# Altium PCB ALCT_MEZ_LX150T.PcbDoc (part 1 of 8) (continued)
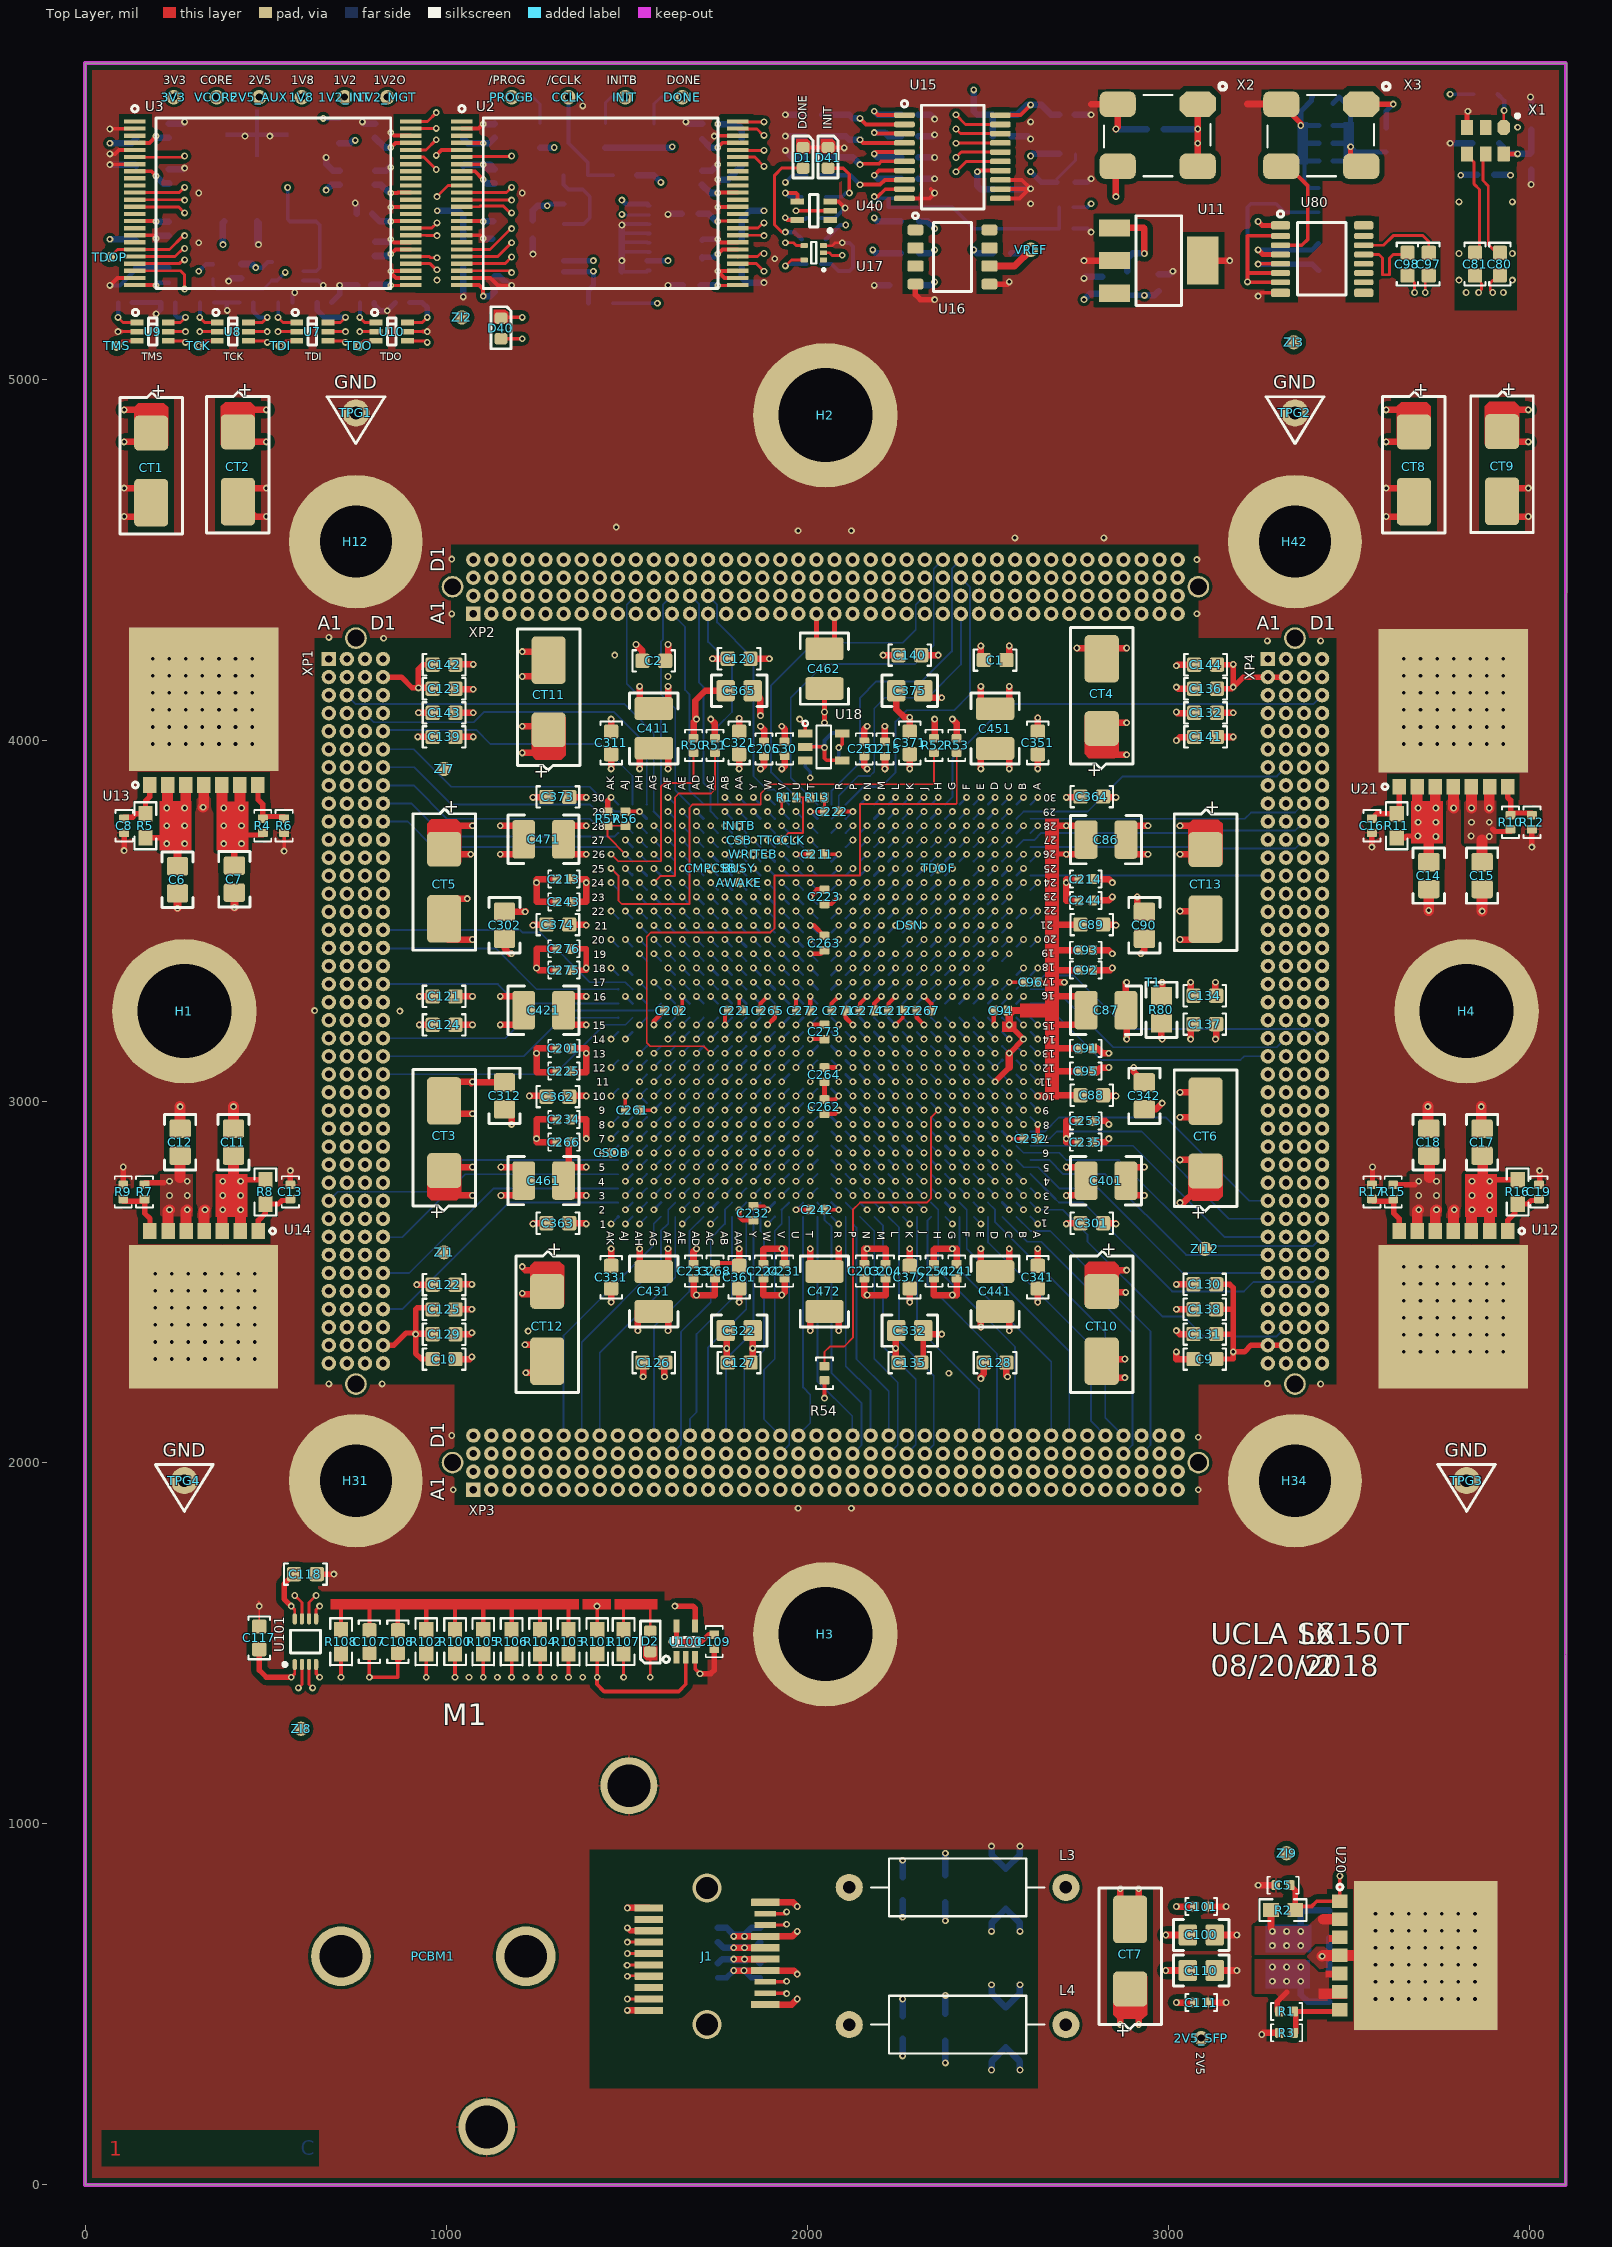
[diagram p0: Top Layer view]
## Components (designator, comment, footprint, x,y, rotation, side; value= is the part's Value field where it differs from the comment) (continued)
R102 "187R" MC_S6/SM/R_0603_IPC 944.88,1504.14 r270 top locked
R103 "4.7k" MC_S6/SM/R_0603_IPC 1338.58,1504.14 r270 top locked
R104 "4.7k" MC_S6/SM/R_0603_IPC 1259.84,1504.14 r270 top locked
R105 "4.7k" MC_S6/SM/R_0603_IPC 1102.36,1504.14 r270 top locked
R106 "4.7k" MC_S6/SM/R_0603_IPC 1181.1,1504.14 r270 top locked
R107 "330R" MC_S6/SM/R_0603_IPC 1491.14,1504.14 r90 top locked
R108 "4.7k" MC_S6/SM/R_0603_IPC 708.66,1504.14 r270 top
SP1 "Stiffener Plate" MC_S6/SPLATE 4098.43,1221.07 r180 bottom locked
T1 "Tie" MC_S6/TH/TIE_VIA 2982.28,3330.12 r90 top locked net-tie
TCK "Test Point Via" MC_S6/TH/TPVIA 314.96,5091.93 r0 top
TDI "Test Point Via" MC_S6/TH/TPVIA 541.34,5091.93 r0 top
TDO "Test Point Via" MC_S6/TH/TPVIA 757.87,5091.93 r0 top
TDOF "Test Point Via" MC_S6/TH/TPVIA 2362.21,3645.07 r0 top locked
TDOP "Test Point Via" MC_S6/TH/TPVIA 68.9,5338 r0 top locked
TMS "Test Point Via" MC_S6/TH/TPVIA 88.58,5091.93 r0 top
TPG1 "GND" MC_S6/TH/TPGND 750,4906.11 r0 top locked
TPG2 "GND" MC_S6/TH/TPGND 3350,4906.11 r0 top locked
TPG3 "GND" MC_S6/TH/TPGND 3825,1950.01 r0 top locked
TPG4 "GND" MC_S6/TH/TPGND 275,1950.01 r0 top locked
TTCCLK "Test Point Via" MC_S6/TH/TPVIA 1929.14,3723.82 r270 top locked
U1 "XC6SLX150T-3FGG900C" MC_S6/BGA/FGG900 2047.24,3251.38 r90 bottom locked
U2 "XCF32PVOG48C" MC_S6/SM/VOG48 1425.2,5486.82 r0 top locked
U3 "XCF08PVOG48C" MC_S6/SM/VOG48 519.69,5486.82 r0 top locked
U4 "74LVC161PW,118" MC_S6/SM/TSSOP16 1440.94,5387.21 r180 bottom locked
U5 "DS1233AZ-10+" MC_S6/SM/SOT223_1243 472.44,5584.06 r90 bottom locked
U6 "SN74LVC1G07-EP" MC_S6/SM/SOT_SC70_DCK5 561.02,5298.63 r180 bottom locked
U7 "SN74LVC1T45DCKR" MC_S6/SM/SOT_SC70_DCK6 629.27,5131.3 r0 top locked
U8 "SN74LVC1T45DCKR" MC_S6/SM/SOT_SC70_DCK6 409.45,5131.3 r0 top locked
U9 "SN74LVC1T45DCKR" MC_S6/SM/SOT_SC70_DCK6 187.01,5131.3 r0 top locked
U10 "SN74LVC1T45DCKR" MC_S6/SM/SOT_SC70_DCK6 849.08,5131.3 r0 top locked
U11 "DS2401Z" MC_S6/SM/SOT223_1243 2972.44,5328.16 r0 top locked
U12 "MIC69502WR" MC_S6/SM/SPAK7#1 3788.58,2361.23 r270 top
U13 "MIC69502WR" MC_S6/SM/SPAK7#1 328.74,4156.11 r90 top locked
U14 "MIC69502WR" MC_S6/SM/SPAK7#2 329.77,2361.23 r270 top locked
U15 "TLV2543CDB" MC_S6/SM/ADC_DB20 2401.57,5615.56 r0 top locked
U16 "LT1634ACS8-2.5" MC_S6/SM/LT1634_SOIC8 2401.57,5338 r0 top locked
U17 "SN74LVC1G34" MC_S6/SM/SOT_553_DRL5 2017.72,5349.81 r180 top locked
U18 "TMP36GRTZ" MC_S6/SM/SOT23_RJ5 2045.28,3981.7 r0 top locked
U19 "TMP36GRTZ" MC_S6/SM/SOT23_RJ5 2045.28,3982.68 r0 bottom locked
U20 "MIC69502WR" MC_S6/SM/SPAK7#1 3754.33,635.44 r0 top locked
U21 "MIC69502WR" MC_S6/SM/SPAK7#1 3788.58,4151.38 r90 top locked
U40 "74AUP1G04GW" SOT353-1 2017.72,5465.95 r180 top
U80 "DS90LV047ATMTCX/NOPB" MC_S6/SM/TSSOP16 3425.2,5328.16 r0 top locked
U100 "SN74LVC1G07-EP" MC_S6/SM/SOT_SC70_DCK5 1663.39,1504.14 r90 top
U101 "74LVC2T45DC,125" "VSSOP8 SOT765-1" 610.24,1504.14 r90 top
VCORE "Test Point Via" MC_S6/TH/TPVIA 364.17,5780.91 r0 top locked
VREF "Test Point Via" MC_S6/TH/TPVIA 2618.11,5357.68 r0 top locked
WRITEB "Test Point Via" MC_S6/TH/TPVIA 1850.39,3684.45 r0 top locked
X1 "SG3225VAN 80.000000M-KEGA3" MC_S6/SM/XTAL-LVDS-3.2-2.5 3877.17,5659.85 r270 top locked
X2 "ASV-33.000MHZ-EJ-T" MC_S6/SM/XTAL-7X5.08 2972.44,5672.64 r180 top locked
X3 "CFPS-73 80.0 MHz" MC_S6/SM/XTAL-7X5.08 3425.2,5672.64 r180 top
XP1 "Samtec_XP1" MC_S6/TH/SAMTEC_MOLC_40X4 675,4225.01 r270 bottom locked
XP2 "Samtec_XP2" MC_S6/TH/SAMTEC_MOLC_40X4 1075,4350.01 r0 bottom locked
XP3 "Samtec_XP3" MC_S6/TH/SAMTEC_MOLC_40X4 1075,1925.01 r0 bottom locked
XP4 "Samtec_XP4" MC_S6/TH/SAMTEC_MOLC_40X4 3275,4225.01 r270 bottom locked
ZI1 "Fiducial Dot" MC_S6/SM/FIDUCIAL_DOT 994.09,2582.09 r0 top locked
ZI2 "Fiducial Dot" MC_S6/SM/FIDUCIAL_DOT 1043.31,5170.67 r0 top locked
ZI3 "Fiducial Dot" MC_S6/SM/FIDUCIAL_DOT 3346.46,5101.78 r0 top locked
ZI4 "Fiducial Dot" MC_S6/SM/FIDUCIAL_DOT 1368.11,2572.25 r0 bottom locked
ZI5 "Fiducial Dot" MC_S6/SM/FIDUCIAL_DOT 1368.11,3930.52 r0 bottom locked
ZI6 "Fiducial Dot" MC_S6/SM/FIDUCIAL_DOT 2726.38,3930.52 r0 bottom locked
ZI7 "Fiducial Dot" MC_S6/SM/FIDUCIAL_DOT 994.09,3920.67 r0 top locked
ZI8 "Fiducial Dot" MC_S6/SM/FIDUCIAL_DOT 598.03,1263 r0 top locked
ZI9 "Fiducial Dot" MC_S6/SM/FIDUCIAL_DOT 3326.77,918.51 r0 top locked
ZI10 "Fiducial Dot" MC_S6/SM/FIDUCIAL_DOT 3125.98,5190.36 r90 bottom locked
ZI11 "Fiducial Dot" MC_S6/SM/FIDUCIAL_DOT 1043.31,5170.67 r180 bottom locked
ZI12 "Fiducial Dot" MC_S6/SM/FIDUCIAL_DOT 3100.39,2591.93 r90 top locked

## Footprints (in the part's own frame and the unit in brackets; to place one, negate y for a bottom-side part, rotate by r counter-clockwise, add the part's x,y. Pads: shape width x height; smd on the part's side, far side on the other; paste and mask are expansions set on the pad)
CS86717095B1 [mm]
  round 4 / inner round 4 / far side round 5 hole 3: 1(-12,5) 2(12,-5)
  body extent -15.52,-8.61 15.48,8.39, height 17.24
MC_S6/BGA/FGG900 [mm]
  round 0.4 smd mask+0.05: A1(-14.5,14.5) A2(-13.5,14.5) A3(-12.5,14.5) A4(-11.5,14.5) A5(-10.5,14.5) A6(-9.5,14.5) A7(-8.5,14.5) A8(-7.5,14.5) A9(-6.5,14.5) A10(-5.5,14.5) A11(-4.5,14.5) A12(-3.5,14.5) A13(-2.5,14.5) A14(-1.5,14.5) A15(-0.5,14.5) A16(0.5,14.5) A17(1.5,14.5) A18(2.5,14.5) A19(3.5,14.5) A20(4.5,14.5) A21(5.5,14.5) A22(6.5,14.5) A23(7.5,14.5) A24(8.5,14.5) A25(9.5,14.5) A26(10.5,14.5) A27(11.5,14.5) A28(12.5,14.5) A29(13.5,14.5) A30(14.5,14.5) AA1(-14.5,-5.5) AA2(-13.5,-5.5) AA3(-12.5,-5.5) AA4(-11.5,-5.5) AA5(-10.5,-5.5) AA6(-9.5,-5.5) AA7(-8.5,-5.5) AA8(-7.5,-5.5) AA9(-6.5,-5.5) AA10(-5.5,-5.5) AA11(-4.5,-5.5) AA12(-3.5,-5.5) AA13(-2.5,-5.5) AA14(-1.5,-5.5) AA15(-0.5,-5.5) AA16(0.5,-5.5) AA17(1.5,-5.5) AA18(2.5,-5.5) AA19(3.5,-5.5) AA20(4.5,-5.5) AA21(5.5,-5.5) AA22(6.5,-5.5) AA23(7.5,-5.5) AA24(8.5,-5.5) AA25(9.5,-5.5) AA26(10.5,-5.5) AA27(11.5,-5.5) AA28(12.5,-5.5) AA29(13.5,-5.5) AA30(14.5,-5.5) AB1(-14.5,-6.5) AB2(-13.5,-6.5) AB3(-12.5,-6.5) AB4(-11.5,-6.5) AB5(-10.5,-6.5) AB6(-9.5,-6.5) AB7(-8.5,-6.5) AB8(-7.5,-6.5) AB9(-6.5,-6.5) AB10(-5.5,-6.5) AB11(-4.5,-6.5) AB12(-3.5,-6.5) AB13(-2.5,-6.5) AB14(-1.5,-6.5) AB15(-0.5,-6.5) AB16(0.5,-6.5) AB17(1.5,-6.5) AB18(2.5,-6.5) AB19(3.5,-6.5) AB20(4.5,-6.5) AB21(5.5,-6.5) AB22(6.5,-6.5) AB23(7.5,-6.5) AB24(8.5,-6.5) AB25(9.5,-6.5) AB26(10.5,-6.5) AB27(11.5,-6.5) AB28(12.5,-6.5) AB29(13.5,-6.5) AB30(14.5,-6.5) AC1(-14.5,-7.5) AC2(-13.5,-7.5) AC3(-12.5,-7.5) AC4(-11.5,-7.5) AC5(-10.5,-7.5) AC6(-9.5,-7.5) AC7(-8.5,-7.5) AC8(-7.5,-7.5) AC9(-6.5,-7.5) AC10(-5.5,-7.5) AC11(-4.5,-7.5) AC12(-3.5,-7.5) AC13(-2.5,-7.5) AC14(-1.5,-7.5) AC15(-0.5,-7.5) AC16(0.5,-7.5) AC17(1.5,-7.5) AC18(2.5,-7.5) AC19(3.5,-7.5) AC20(4.5,-7.5) AC21(5.5,-7.5) AC22(6.5,-7.5) AC23(7.5,-7.5) AC24(8.5,-7.5) AC25(9.5,-7.5) AC26(10.5,-7.5) AC27(11.5,-7.5) AC28(12.5,-7.5) AC29(13.5,-7.5) AC30(14.5,-7.5) AD1(-14.5,-8.5) AD2(-13.5,-8.5) AD3(-12.5,-8.5) AD4(-11.5,-8.5) AD5(-10.5,-8.5) AD6(-9.5,-8.5) AD7(-8.5,-8.5) AD8(-7.5,-8.5) AD9(-6.5,-8.5) AD10(-5.5,-8.5) AD11(-4.5,-8.5) AD12(-3.5,-8.5) AD13(-2.5,-8.5) AD14(-1.5,-8.5) AD15(-0.5,-8.5) AD16(0.5,-8.5) AD17(1.5,-8.5) AD18(2.5,-8.5) AD19(3.5,-8.5) AD20(4.5,-8.5) AD21(5.5,-8.5) AD22(6.5,-8.5) AD23(7.5,-8.5) AD24(8.5,-8.5) AD25(9.5,-8.5) AD26(10.5,-8.5) AD27(11.5,-8.5) AD28(12.5,-8.5) AD29(13.5,-8.5) AD30(14.5,-8.5) AE1(-14.5,-9.5) AE2(-13.5,-9.5) AE3(-12.5,-9.5) AE4(-11.5,-9.5) AE5(-10.5,-9.5) AE6(-9.5,-9.5) AE7(-8.5,-9.5) AE8(-7.5,-9.5) AE9(-6.5,-9.5) AE10(-5.5,-9.5) AE11(-4.5,-9.5) AE12(-3.5,-9.5) AE13(-2.5,-9.5) AE14(-1.5,-9.5) AE15(-0.5,-9.5) AE16(0.5,-9.5) AE17(1.5,-9.5) AE18(2.5,-9.5) AE19(3.5,-9.5) AE20(4.5,-9.5) AE21(5.5,-9.5) AE22(6.5,-9.5) AE23(7.5,-9.5) AE24(8.5,-9.5) AE25(9.5,-9.5) AE26(10.5,-9.5) AE27(11.5,-9.5) AE28(12.5,-9.5) AE29(13.5,-9.5) AE30(14.5,-9.5) AF1(-14.5,-10.5) AF2(-13.5,-10.5) AF3(-12.5,-10.5) AF4(-11.5,-10.5) AF5(-10.5,-10.5) AF6(-9.5,-10.5) AF7(-8.5,-10.5) AF8(-7.5,-10.5) AF9(-6.5,-10.5) AF10(-5.5,-10.5) AF11(-4.5,-10.5) AF12(-3.5,-10.5) AF13(-2.5,-10.5) AF14(-1.5,-10.5) AF15(-0.5,-10.5) AF16(0.5,-10.5) AF17(1.5,-10.5) AF18(2.5,-10.5) AF19(3.5,-10.5) AF20(4.5,-10.5) AF21(5.5,-10.5) AF22(6.5,-10.5) AF23(7.5,-10.5) AF24(8.5,-10.5) AF25(9.5,-10.5) AF26(10.5,-10.5) AF27(11.5,-10.5) AF28(12.5,-10.5) AF29(13.5,-10.5) AF30(14.5,-10.5) AG1(-14.5,-11.5) AG2(-13.5,-11.5) AG3(-12.5,-11.5) AG4(-11.5,-11.5) AG5(-10.5,-11.5) AG6(-9.5,-11.5) AG7(-8.5,-11.5) AG8(-7.5,-11.5) AG9(-6.5,-11.5) AG10(-5.5,-11.5) AG11(-4.5,-11.5) AG12(-3.5,-11.5) AG13(-2.5,-11.5) AG14(-1.5,-11.5) AG15(-0.5,-11.5) AG16(0.5,-11.5) AG17(1.5,-11.5) AG18(2.5,-11.5) AG19(3.5,-11.5) AG20(4.5,-11.5) AG21(5.5,-11.5) AG22(6.5,-11.5) AG23(7.5,-11.5) AG24(8.5,-11.5) AG25(9.5,-11.5) AG26(10.5,-11.5) AG27(11.5,-11.5) AG28(12.5,-11.5) AG29(13.5,-11.5) AG30(14.5,-11.5) AH1(-14.5,-12.5) AH2(-13.5,-12.5) AH3(-12.5,-12.5) AH4(-11.5,-12.5) AH5(-10.5,-12.5) AH6(-9.5,-12.5) AH7(-8.5,-12.5) AH8(-7.5,-12.5) AH9(-6.5,-12.5) AH10(-5.5,-12.5) AH11(-4.5,-12.5) AH12(-3.5,-12.5) AH13(-2.5,-12.5) AH14(-1.5,-12.5) AH15(-0.5,-12.5) AH16(0.5,-12.5) AH17(1.5,-12.5) AH18(2.5,-12.5) AH19(3.5,-12.5) AH20(4.5,-12.5) AH21(5.5,-12.5) AH22(6.5,-12.5) AH23(7.5,-12.5) AH24(8.5,-12.5) AH25(9.5,-12.5) AH26(10.5,-12.5) AH27(11.5,-12.5) AH28(12.5,-12.5) AH29(13.5,-12.5) AH30(14.5,-12.5) AJ1(-14.5,-13.5) AJ2(-13.5,-13.5) AJ3(-12.5,-13.5) AJ4(-11.5,-13.5) AJ5(-10.5,-13.5) AJ6(-9.5,-13.5) AJ7(-8.5,-13.5) AJ8(-7.5,-13.5) AJ9(-6.5,-13.5) AJ10(-5.5,-13.5) AJ11(-4.5,-13.5) AJ12(-3.5,-13.5) AJ13(-2.5,-13.5) AJ14(-1.5,-13.5) AJ15(-0.5,-13.5) AJ16(0.5,-13.5) AJ17(1.5,-13.5) AJ18(2.5,-13.5) AJ19(3.5,-13.5) AJ20(4.5,-13.5) AJ21(5.5,-13.5) AJ22(6.5,-13.5) AJ23(7.5,-13.5) AJ24(8.5,-13.5) AJ25(9.5,-13.5) AJ26(10.5,-13.5) AJ27(11.5,-13.5) AJ28(12.5,-13.5) AJ29(13.5,-13.5) AJ30(14.5,-13.5) AK1(-14.5,-14.5) AK2(-13.5,-14.5) AK3(-12.5,-14.5) AK4(-11.5,-14.5) AK5(-10.5,-14.5) AK6(-9.5,-14.5) AK7(-8.5,-14.5) AK8(-7.5,-14.5) AK9(-6.5,-14.5) AK10(-5.5,-14.5) AK11(-4.5,-14.5) AK12(-3.5,-14.5) AK13(-2.5,-14.5) AK14(-1.5,-14.5) AK15(-0.5,-14.5) AK16(0.5,-14.5) AK17(1.5,-14.5) AK18(2.5,-14.5) AK19(3.5,-14.5) AK20(4.5,-14.5) AK21(5.5,-14.5) AK22(6.5,-14.5) AK23(7.5,-14.5) AK24(8.5,-14.5) AK25(9.5,-14.5) AK26(10.5,-14.5) AK27(11.5,-14.5) AK28(12.5,-14.5) AK29(13.5,-14.5) AK30(14.5,-14.5) B1(-14.5,13.5) B2(-13.5,13.5) B3(-12.5,13.5) B4(-11.5,13.5) B5(-10.5,13.5) B6(-9.5,13.5) B7(-8.5,13.5) B8(-7.5,13.5) B9(-6.5,13.5) B10(-5.5,13.5) B11(-4.5,13.5) B12(-3.5,13.5) B13(-2.5,13.5) B14(-1.5,13.5) B15(-0.5,13.5) B16(0.5,13.5) B17(1.5,13.5) B18(2.5,13.5) B19(3.5,13.5) B20(4.5,13.5) B21(5.5,13.5) B22(6.5,13.5) B23(7.5,13.5) B24(8.5,13.5) B25(9.5,13.5) B26(10.5,13.5) B27(11.5,13.5) B28(12.5,13.5) B29(13.5,13.5) B30(14.5,13.5) C1(-14.5,12.5) C2(-13.5,12.5) C3(-12.5,12.5) C4(-11.5,12.5) C5(-10.5,12.5) C6(-9.5,12.5) C7(-8.5,12.5) C8(-7.5,12.5) C9(-6.5,12.5) C10(-5.5,12.5) C11(-4.5,12.5) C12(-3.5,12.5) C13(-2.5,12.5) C14(-1.5,12.5) C15(-0.5,12.5) C16(0.5,12.5) C17(1.5,12.5) C18(2.5,12.5) C19(3.5,12.5) C20(4.5,12.5) C21(5.5,12.5) C22(6.5,12.5) C23(7.5,12.5) C24(8.5,12.5) C25(9.5,12.5) C26(10.5,12.5) C27(11.5,12.5) C28(12.5,12.5) C29(13.5,12.5) C30(14.5,12.5) D1(-14.5,11.5) D2(-13.5,11.5) D3(-12.5,11.5) D4(-11.5,11.5) D5(-10.5,11.5) D6(-9.5,11.5) D7(-8.5,11.5) D8(-7.5,11.5) D9(-6.5,11.5) D10(-5.5,11.5) D11(-4.5,11.5) D12(-3.5,11.5) D13(-2.5,11.5) D14(-1.5,11.5) D15(-0.5,11.5) D16(0.5,11.5) D17(1.5,11.5) D18(2.5,11.5) D19(3.5,11.5) D20(4.5,11.5) D21(5.5,11.5) D22(6.5,11.5) D23(7.5,11.5) D24(8.5,11.5) D25(9.5,11.5) D26(10.5,11.5) D27(11.5,11.5) D28(12.5,11.5) D29(13.5,11.5) D30(14.5,11.5) E1(-14.5,10.5) E2(-13.5,10.5) E3(-12.5,10.5) E4(-11.5,10.5) E5(-10.5,10.5) E6(-9.5,10.5) E7(-8.5,10.5) E8(-7.5,10.5) E9(-6.5,10.5) E10(-5.5,10.5) E11(-4.5,10.5) E12(-3.5,10.5) E13(-2.5,10.5) E14(-1.5,10.5) E15(-0.5,10.5) E16(0.5,10.5) E17(1.5,10.5) E18(2.5,10.5) E19(3.5,10.5) E20(4.5,10.5) E21(5.5,10.5) E22(6.5,10.5) E23(7.5,10.5) E24(8.5,10.5) E25(9.5,10.5) E26(10.5,10.5) E27(11.5,10.5) E28(12.5,10.5) E29(13.5,10.5) E30(14.5,10.5) F1(-14.5,9.5) F2(-13.5,9.5) F3(-12.5,9.5) F4(-11.5,9.5) F5(-10.5,9.5) F6(-9.5,9.5) F7(-8.5,9.5) F8(-7.5,9.5) F9(-6.5,9.5) F10(-5.5,9.5) F11(-4.5,9.5) F12(-3.5,9.5) F13(-2.5,9.5) F14(-1.5,9.5) F15(-0.5,9.5) F16(0.5,9.5) F17(1.5,9.5) F18(2.5,9.5) F19(3.5,9.5) F20(4.5,9.5) F21(5.5,9.5) F22(6.5,9.5) F23(7.5,9.5) F24(8.5,9.5) F25(9.5,9.5) F26(10.5,9.5) F27(11.5,9.5) F28(12.5,9.5) F29(13.5,9.5) F30(14.5,9.5) G1(-14.5,8.5) G2(-13.5,8.5) G3(-12.5,8.5) G4(-11.5,8.5) G5(-10.5,8.5) G6(-9.5,8.5) G7(-8.5,8.5) G8(-7.5,8.5) G9(-6.5,8.5) G10(-5.5,8.5) G11(-4.5,8.5) G12(-3.5,8.5) G13(-2.5,8.5) G14(-1.5,8.5) G15(-0.5,8.5) G16(0.5,8.5) G17(1.5,8.5) G18(2.5,8.5) G19(3.5,8.5) G20(4.5,8.5) G21(5.5,8.5) G22(6.5,8.5) G23(7.5,8.5) G24(8.5,8.5) G25(9.5,8.5) G26(10.5,8.5) G27(11.5,8.5) G28(12.5,8.5) G29(13.5,8.5) G30(14.5,8.5) H1(-14.5,7.5) H2(-13.5,7.5) H3(-12.5,7.5) H4(-11.5,7.5) H5(-10.5,7.5) H6(-9.5,7.5) H7(-8.5,7.5) H8(-7.5,7.5) H9(-6.5,7.5) H10(-5.5,7.5) H11(-4.5,7.5) H12(-3.5,7.5) H13(-2.5,7.5) H14(-1.5,7.5) H15(-0.5,7.5) H16(0.5,7.5) H17(1.5,7.5) H18(2.5,7.5) H19(3.5,7.5) H20(4.5,7.5) H21(5.5,7.5) H22(6.5,7.5) H23(7.5,7.5) H24(8.5,7.5) H25(9.5,7.5) H26(10.5,7.5) H27(11.5,7.5) H28(12.5,7.5) H29(13.5,7.5) H30(14.5,7.5) J1(-14.5,6.5) J2(-13.5,6.5) J3(-12.5,6.5) J4(-11.5,6.5) J5(-10.5,6.5) J6(-9.5,6.5) J7(-8.5,6.5) J8(-7.5,6.5) J9(-6.5,6.5) J10(-5.5,6.5) J11(-4.5,6.5) J12(-3.5,6.5) J13(-2.5,6.5) J14(-1.5,6.5) J15(-0.5,6.5) J16(0.5,6.5) J17(1.5,6.5) J18(2.5,6.5) J19(3.5,6.5) J20(4.5,6.5) J21(5.5,6.5) J22(6.5,6.5) J23(7.5,6.5) J24(8.5,6.5) J25(9.5,6.5) J26(10.5,6.5) J27(11.5,6.5) J28(12.5,6.5) J29(13.5,6.5) J30(14.5,6.5) K1(-14.5,5.5) K2(-13.5,5.5) K3(-12.5,5.5) K4(-11.5,5.5) K5(-10.5,5.5) K6(-9.5,5.5) K7(-8.5,5.5) K8(-7.5,5.5) K9(-6.5,5.5) K10(-5.5,5.5) K11(-4.5,5.5) K12(-3.5,5.5) K13(-2.5,5.5) K14(-1.5,5.5) K15(-0.5,5.5) K16(0.5,5.5) K17(1.5,5.5) K18(2.5,5.5) K19(3.5,5.5) K20(4.5,5.5) K21(5.5,5.5) K22(6.5,5.5) K23(7.5,5.5) K24(8.5,5.5) K25(9.5,5.5) K26(10.5,5.5) K27(11.5,5.5) K28(12.5,5.5) K29(13.5,5.5) K30(14.5,5.5) L1(-14.5,4.5) L2(-13.5,4.5) L3(-12.5,4.5) L4(-11.5,4.5) L5(-10.5,4.5) L6(-9.5,4.5) L7(-8.5,4.5) L8(-7.5,4.5) L9(-6.5,4.5) L10(-5.5,4.5) L11(-4.5,4.5) L12(-3.5,4.5) L13(-2.5,4.5) L14(-1.5,4.5) L15(-0.5,4.5) L16(0.5,4.5) L17(1.5,4.5) L18(2.5,4.5) L19(3.5,4.5) L20(4.5,4.5) L21(5.5,4.5) L22(6.5,4.5) L23(7.5,4.5) L24(8.5,4.5) L25(9.5,4.5) L26(10.5,4.5) L27(11.5,4.5) L28(12.5,4.5) L29(13.5,4.5) L30(14.5,4.5) M1(-14.5,3.5) M2(-13.5,3.5) M3(-12.5,3.5) M4(-11.5,3.5) M5(-10.5,3.5) M6(-9.5,3.5) M7(-8.5,3.5) M8(-7.5,3.5) M9(-6.5,3.5) M10(-5.5,3.5) M11(-4.5,3.5) M12(-3.5,3.5) M13(-2.5,3.5) M14(-1.5,3.5) M15(-0.5,3.5) M16(0.5,3.5) M17(1.5,3.5) M18(2.5,3.5) M19(3.5,3.5) M20(4.5,3.5) M21(5.5,3.5) M22(6.5,3.5) M23(7.5,3.5) M24(8.5,3.5) M25(9.5,3.5) M26(10.5,3.5) M27(11.5,3.5) M28(12.5,3.5) M29(13.5,3.5) M30(14.5,3.5) N1(-14.5,2.5) N2(-13.5,2.5) N3(-12.5,2.5) N4(-11.5,2.5) N5(-10.5,2.5) N6(-9.5,2.5) N7(-8.5,2.5) N8(-7.5,2.5) N9(-6.5,2.5) N10(-5.5,2.5) N11(-4.5,2.5) N12(-3.5,2.5) N13(-2.5,2.5) N14(-1.5,2.5) N15(-0.5,2.5) N16(0.5,2.5) N17(1.5,2.5) N18(2.5,2.5) N19(3.5,2.5) N20(4.5,2.5) N21(5.5,2.5) N22(6.5,2.5) N23(7.5,2.5) N24(8.5,2.5) N25(9.5,2.5) N26(10.5,2.5) N27(11.5,2.5) N28(12.5,2.5) N29(13.5,2.5) N30(14.5,2.5) P1(-14.5,1.5) P2(-13.5,1.5) P3(-12.5,1.5) P4(-11.5,1.5) P5(-10.5,1.5) P6(-9.5,1.5) P7(-8.5,1.5) P8(-7.5,1.5) P9(-6.5,1.5) P10(-5.5,1.5) P11(-4.5,1.5) P12(-3.5,1.5) P13(-2.5,1.5) P14(-1.5,1.5) P15(-0.5,1.5) P16(0.5,1.5) P17(1.5,1.5) P18(2.5,1.5) P19(3.5,1.5) P20(4.5,1.5) P21(5.5,1.5) P22(6.5,1.5) P23(7.5,1.5) P24(8.5,1.5) P25(9.5,1.5) P26(10.5,1.5) P27(11.5,1.5) P28(12.5,1.5) P29(13.5,1.5) P30(14.5,1.5) R1(-14.5,0.5) R2(-13.5,0.5) R3(-12.5,0.5) R4(-11.5,0.5) R5(-10.5,0.5) R6(-9.5,0.5) R7(-8.5,0.5) R8(-7.5,0.5) R9(-6.5,0.5) R10(-5.5,0.5) R11(-4.5,0.5) R12(-3.5,0.5) R13(-2.5,0.5) R14(-1.5,0.5) R15(-0.5,0.5) R16(0.5,0.5) R17(1.5,0.5) R18(2.5,0.5) R19(3.5,0.5) R20(4.5,0.5) R21(5.5,0.5) R22(6.5,0.5) R23(7.5,0.5) R24(8.5,0.5) R25(9.5,0.5) R26(10.5,0.5) R27(11.5,0.5) R28(12.5,0.5) R29(13.5,0.5) R30(14.5,0.5) T1(-14.5,-0.5) T2(-13.5,-0.5) T3(-12.5,-0.5) T4(-11.5,-0.5) T5(-10.5,-0.5) T6(-9.5,-0.5) T7(-8.5,-0.5) T8(-7.5,-0.5) T9(-6.5,-0.5) T10(-5.5,-0.5) T11(-4.5,-0.5) T12(-3.5,-0.5) T13(-2.5,-0.5) T14(-1.5,-0.5) T15(-0.5,-0.5) T16(0.5,-0.5) T17(1.5,-0.5) T18(2.5,-0.5) T19(3.5,-0.5) T20(4.5,-0.5) T21(5.5,-0.5) T22(6.5,-0.5) T23(7.5,-0.5) T24(8.5,-0.5) T25(9.5,-0.5) T26(10.5,-0.5) T27(11.5,-0.5) T28(12.5,-0.5) T29(13.5,-0.5) T30(14.5,-0.5) U1(-14.5,-1.5) U2(-13.5,-1.5) U3(-12.5,-1.5) U4(-11.5,-1.5) U5(-10.5,-1.5) U6(-9.5,-1.5) U7(-8.5,-1.5) U8(-7.5,-1.5) U9(-6.5,-1.5) U10(-5.5,-1.5) U11(-4.5,-1.5) U12(-3.5,-1.5) U13(-2.5,-1.5) U14(-1.5,-1.5) U15(-0.5,-1.5) U16(0.5,-1.5) U17(1.5,-1.5) U18(2.5,-1.5) U19(3.5,-1.5) U20(4.5,-1.5) U21(5.5,-1.5) U22(6.5,-1.5) U23(7.5,-1.5) U24(8.5,-1.5) U25(9.5,-1.5) U26(10.5,-1.5) U27(11.5,-1.5) U28(12.5,-1.5) U29(13.5,-1.5) U30(14.5,-1.5) V1(-14.5,-2.5) V2(-13.5,-2.5) V3(-12.5,-2.5) V4(-11.5,-2.5) V5(-10.5,-2.5) V6(-9.5,-2.5) V7(-8.5,-2.5) V8(-7.5,-2.5) V9(-6.5,-2.5) V10(-5.5,-2.5) V11(-4.5,-2.5) V12(-3.5,-2.5) V13(-2.5,-2.5) V14(-1.5,-2.5) V15(-0.5,-2.5) V16(0.5,-2.5) V17(1.5,-2.5) V18(2.5,-2.5) V19(3.5,-2.5) V20(4.5,-2.5) V21(5.5,-2.5) V22(6.5,-2.5) V23(7.5,-2.5) V24(8.5,-2.5) V25(9.5,-2.5) V26(10.5,-2.5) V27(11.5,-2.5) V28(12.5,-2.5) V29(13.5,-2.5) V30(14.5,-2.5) W1(-14.5,-3.5) W2(-13.5,-3.5) W3(-12.5,-3.5) W4(-11.5,-3.5) W5(-10.5,-3.5) W6(-9.5,-3.5) W7(-8.5,-3.5) W8(-7.5,-3.5) W9(-6.5,-3.5) W10(-5.5,-3.5) W11(-4.5,-3.5) W12(-3.5,-3.5) W13(-2.5,-3.5) W14(-1.5,-3.5) W15(-0.5,-3.5) W16(0.5,-3.5) W17(1.5,-3.5) W18(2.5,-3.5) W19(3.5,-3.5) W20(4.5,-3.5) W21(5.5,-3.5) W22(6.5,-3.5) W23(7.5,-3.5) W24(8.5,-3.5) W25(9.5,-3.5) W26(10.5,-3.5) W27(11.5,-3.5) W28(12.5,-3.5) W29(13.5,-3.5) W30(14.5,-3.5) Y1(-14.5,-4.5) Y2(-13.5,-4.5) Y3(-12.5,-4.5) Y4(-11.5,-4.5) Y5(-10.5,-4.5) Y6(-9.5,-4.5) Y7(-8.5,-4.5) Y8(-7.5,-4.5) Y9(-6.5,-4.5) Y10(-5.5,-4.5) Y11(-4.5,-4.5) Y12(-3.5,-4.5) Y13(-2.5,-4.5) Y14(-1.5,-4.5) Y15(-0.5,-4.5) Y16(0.5,-4.5) Y17(1.5,-4.5) Y18(2.5,-4.5) Y19(3.5,-4.5) Y20(4.5,-4.5) Y21(5.5,-4.5) Y22(6.5,-4.5) Y23(7.5,-4.5) Y24(8.5,-4.5) Y25(9.5,-4.5) Y26(10.5,-4.5) Y27(11.5,-4.5) Y28(12.5,-4.5) Y29(13.5,-4.5) Y30(14.5,-4.5)
  silkscreen extent -17,-15.5 15.5,17
MC_S6/SM/ADC_DB20 [mm]
  rrect50% 1.45x0.4 smd: 1(-3.375,2.925) 2(-3.375,2.275) 3(-3.375,1.625) 4(-3.375,0.975) 5(-3.375,0.325) 6(-3.375,-0.325) 7(-3.375,-0.975) 8(-3.375,-1.625) 9(-3.375,-2.275) 10(-3.375,-2.925) 11(3.375,-2.925) 12(3.375,-2.275) 13(3.375,-1.625) 14(3.375,-0.975) 15(3.375,-0.325) 16(3.375,0.325) 17(3.375,0.975) 18(3.375,1.625) 19(3.375,2.275) 20(3.375,2.925)
  Top Layer pour cut-out: 2.4,3.4 2.4,-3.4 4.3,-3.4 4.3,3.4
  Top Layer pour cut-out: -4.3,3.4 -4.3,-3.4 -2.4,-3.4 -2.4,3.4
  silkscreen extent -3.6,-3.67 2.22,3.95, body extent -3.17,-3.32 3.23,3.28, height 1.2
MC_S6/SM/C_0402_IPC [mm]
  rrect25% 0.6x0.7 smd: 1(-0.5,0) 2(0.5,0)
  silkscreen extent -1.1,-0.6 1.1,0.6, body extent -0.57,-0.27 0.48,0.28, height 0.55
MC_S6/SM/C_0603_IPC [mm]
  rrect25% 1x1 smd: 1(-0.8,0) 2(0.8,0)
  Top Layer pour cut-out: -1.6,-0.8 1.6,-0.8 1.6,0.8 -1.6,0.8
  silkscreen extent -1.5,-0.75 1.5,0.75, body extent -0.87,-0.47 0.88,0.48, height 0.55
MC_S6/SM/C_0805_IPC [mm]
  rrect25% 1.3x1.5 smd: 1(-0.95,0) 2(0.95,0)
  Top Layer pour cut-out: -2,-1.1 2,-1.1 2,1.1 -2,1.1
  silkscreen extent -1.95,-1.1 1.95,1.1, body extent -1.1,-0.67 1.1,0.68, height 1.35
MC_S6/SM/C_1210_IPC [mm]
  rrect25% 1.6x2.7 smd: 1(-1.4,0) 2(1.4,0)
  Top Layer pour cut-out: -2.5,-1.7 2.5,-1.7 2.5,1.7 -2.5,1.7
  silkscreen extent -2.5,-1.7 2.5,1.7, body extent -1.7,-1.35 1.7,1.35, height 2.7
MC_S6/SM/CT_2917_D [mm]
  rrect25% 2.45x2.4 smd: 1(-2.3,0)
  rrect25% 3.35x2.4 smd: 2(2.6,0)
  Top Layer region: -4.1,1.2 -4.4,0.9 -4.4,-0.9 -4.1,-1.2 -1.4,-1.2 -1.4,1.2
  Top Layer pour cut-out: -4.7,-1.6 4.7,-1.6 4.7,1.6 -4.7,1.6
  silkscreen extent -5.15,-2.2 4.8,2.2, body extent -3.8,-2.3 3.8,2.3, height 3.11
MC_S6/SM/FIDUCIAL_DOT [mm]
  round 1 smd paste-2 mask+0.25: 1(0,0)
MC_S6/SM/LED_0603 [mm]
  rrect40% 0.8x0.9 smd: A(0.75,0)
  rrect50% 0.8x0.9 smd: K(-0.7,0)
  Top Layer region: -0.3,-0.5 -0.3,0.5 -1.1,0.5 -1.3,0.3 -1.3,-0.5
  Top Layer pour cut-out: 1.5,0.7 -1.2,0.7 -1.5,0.4 -1.5,-0.7 1.5,-0.7
  silkscreen extent -1.5,-0.7 1.45,0.7, body extent -0.88,-0.48 0.87,0.47, height 0.55
MC_S6/SM/LT1634_SOIC8 [mil]
  rrect50% 45x30 smd: 1(-102.5,75) 4(-102.5,-75) 5(102.5,-75) 8(102.5,75)
  rrect25% 45x30 smd: 2(-102.5,25) 3(-102.5,-25) 6(102.5,-25) 7(102.5,25)
  Top Layer pour cut-out: 137.8,-102.36 137.8,102.36 66.93,102.36 66.93,-102.36
  Top Layer pour cut-out: -66.93,-102.36 -66.93,102.36 -137.8,102.36 -137.8,-102.36
  silkscreen extent -111,-95 52,122, body extent -118,-98 118,98, height 69
MC_S6/SM/R_0402_IPC [mm]
  rrect25% 0.6x0.7 smd: 1(-0.5,0) 2(0.5,0)
  silkscreen extent -1.1,-0.6 1.1,0.6, body extent -0.57,-0.27 0.48,0.28, height 0.55
MC_S6/SM/R_0603_IPC [mm]
  rect 1.1x1 smd: 1(-0.85,0) 2(0.85,0)
  Top Layer pour cut-out: -1.7,-0.8 1.7,-0.8 1.7,0.8 -1.7,0.8
  silkscreen extent -1.65,-0.76 1.65,0.76, body extent -0.87,-0.47 0.88,0.48, height 0.55
MC_S6/SM/R_0805_IPC [mm]
  rect 1.3x1.5 smd: 1(-0.95,0) 2(0.95,0)
  Top Layer pour cut-out: -1.9,-1.1 1.9,-1.1 1.9,1.1 -1.9,1.1
  silkscreen extent -1.95,-1.1 1.95,1.1, body extent -1.1,-0.67 1.1,0.68, height 0.6
MC_S6/SM/SOT23_RJ5 [mm]
  rect 1x0.55 smd: 1(-1.3,0.95) 2(-1.3,0) 3(-1.3,-0.95) 4(1.3,-0.95) 5(1.3,0.95)
  Top Layer pour cut-out: -0.5,1.55 -2.1,1.55 -2.1,-1.55 -0.5,-1.55
  Top Layer pour cut-out: 2.1,1.55 0.5,1.55 0.5,0.45 2.1,0.45
  Top Layer pour cut-out: 2.1,-0.45 0.5,-0.45 0.5,-1.55 2.1,-1.55
  silkscreen extent -1.49,-1.5 0.5,1.84
MC_S6/SM/SOT223_1243 [mm]
  rect 2.2x3.4 smd: 1(3.1,0)
  rect 2.2x1.2 smd: 2(-3.1,2.3) 3(-3.1,-2.3) 4(-3.1,0)
  Top Layer pour cut-out: -1.6,3.3 -4.5,3.3 -4.5,-3.3 -1.6,-3.3
  Top Layer pour cut-out: 4.6,2 1.7,2 1.7,-2 4.6,-2
  silkscreen extent -1.6,-3.15 1.6,3.15, body extent -3.52,-3.25 3.42,3.25, height 1.84
MC_S6/SM/SOT_553_DRL5 [mm] "http://www.ti.com/lit/ml/mpds158c/mpds158c.pdf"
  rrect25% 0.5x0.35 smd: 1(-0.675,0.5) 2(-0.675,0) 3(-0.675,-0.5) 4(0.675,-0.5) 5(0.675,0.5)
  Top Layer pour cut-out: -1.1,-0.9 0.2,-0.9 0.2,0.9 -1.1,0.9
  Top Layer pour cut-out: 0.2,0 1.1,0 1.1,0.9 0.2,0.9
  Top Layer pour cut-out: 0.2,-0.9 1.1,-0.9 1.1,-0.1 0.2,-0.1
  silkscreen extent -0.81,-0.75 0.18,1.31, body extent -0.77,-0.85 0.78,0.85, height 0.6